# Altium PCB PCB1.PcbDoc (continued)
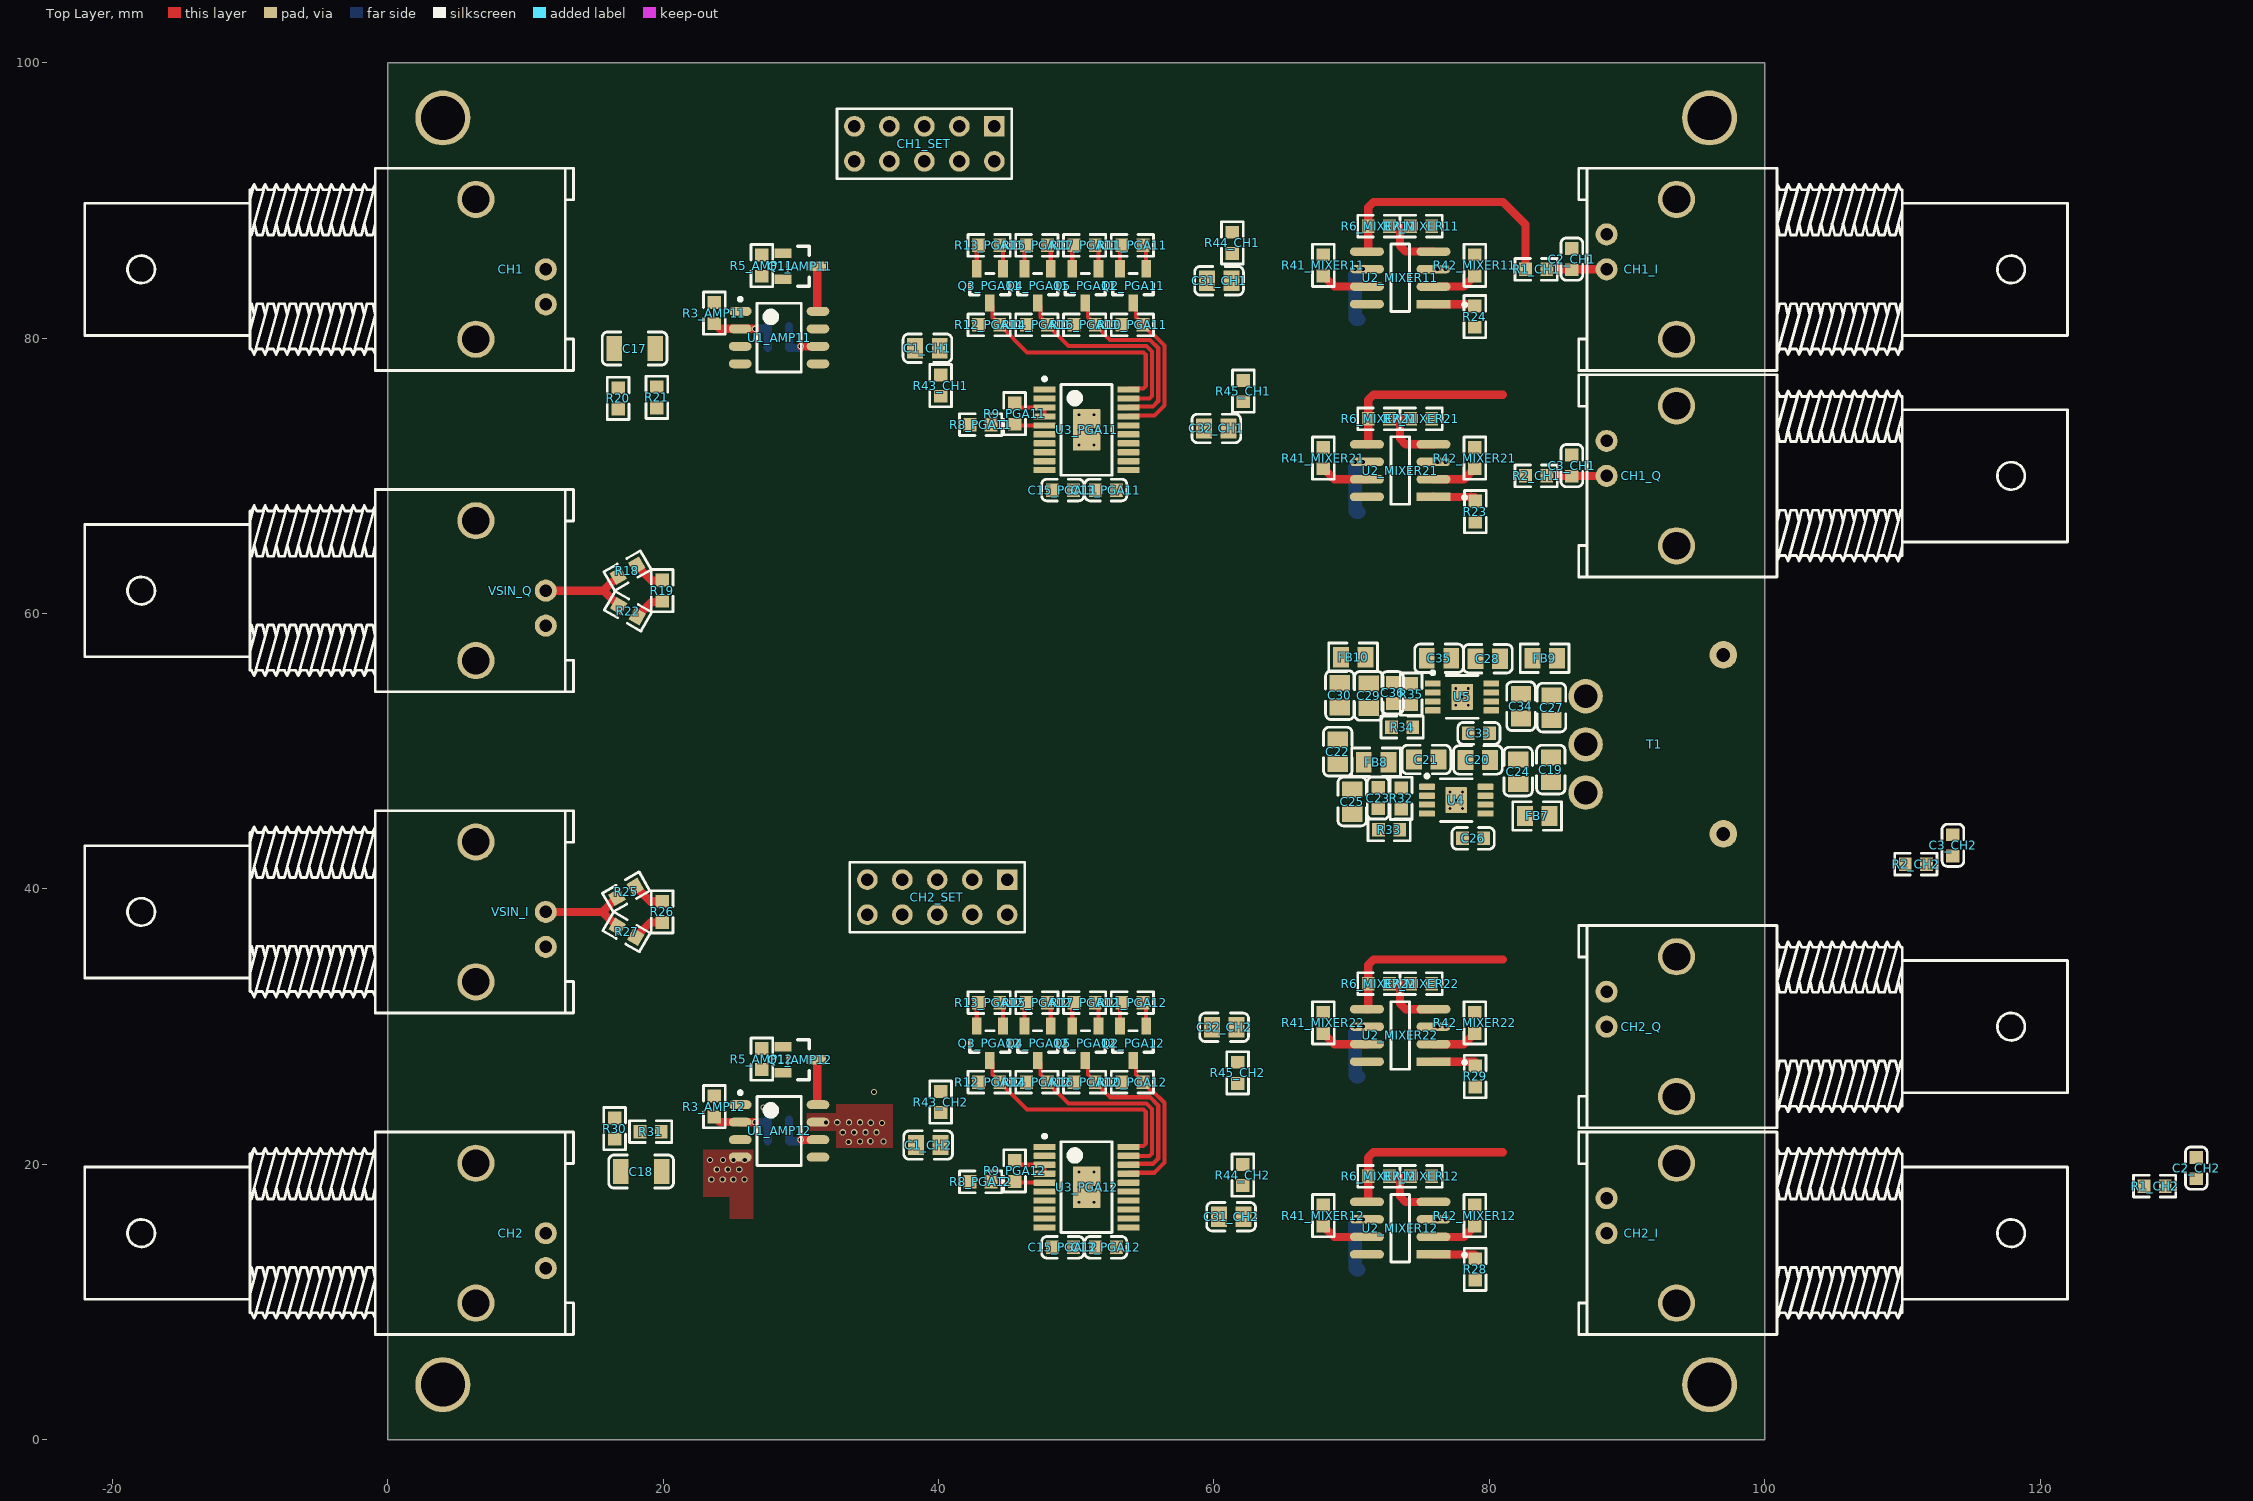
[diagram p0: Top Layer view]
## Components (designator, comment, footprint, x,y, rotation, side; value= is the part's Value field where it differs from the comment)
C1_CH1 "100nF" 0805_C 39.2,79.275 r0 top (schematic designator C1)
C1_CH2 "100nF" 0805_C 39.25,21.4 r0 top (schematic designator C1)
C2_CH1 "10nF" 0603_C 86,85.745 r270 top (schematic designator C2)
C2_CH2 "10nF" 0603_C 131.35,19.725 r270 top (schematic designator C2)
C3_CH1 "10nF" 0603_C 86,70.745 r270 top (schematic designator C3)
C3_CH2 "10nF" 0603_C 113.675,43.17 r270 top (schematic designator C3)
C4_AMP11 "100nF" 0603_C 33.95,78.672 r90 bottom (schematic designator C4)
C4_AMP12 "100nF" 0603_C 33.95,21.05 r90 bottom (schematic designator C4)
C5_AMP11 "10nF" 0603_C 35.55,78.672 r90 bottom (schematic designator C5)
C5_AMP12 "10nF" 0603_C 35.55,21.05 r90 bottom (schematic designator C5)
C6_AMP11 "100nF" 0603_C 26.4,74.397 r180 bottom (schematic designator C6)
C6_AMP12 "100nF" 0603_C 26.4,16.775 r180 bottom (schematic designator C6)
C7_AMP11 "10nF" 0603_C 26.4,75.997 r180 bottom (schematic designator C7)
C7_AMP12 "10nF" 0603_C 26.4,18.375 r180 bottom (schematic designator C7)
C8_AMP11 "10pF" 0603_C 28.375,80.872 r0 bottom (schematic designator C8)
C8_AMP12 "10pF" 0603_C 28.375,23.25 r0 bottom (schematic designator C8)
C9_MIXER11 "100nF" 0603_C 71,83.04 r180 bottom (schematic designator C9)
C9_MIXER12 "100nF" 0603_C 71,14.02 r180 bottom (schematic designator C9)
C9_MIXER21 "100nF" 0603_C 71,69.04 r180 bottom (schematic designator C9)
C9_MIXER22 "100nF" 0603_C 71,28.02 r180 bottom (schematic designator C9)
C10_MIXER11 "10nF" 0603_C 71.02,84.615 r180 bottom (schematic designator C10)
C10_MIXER12 "10nF" 0603_C 71.02,15.595 r180 bottom (schematic designator C10)
C10_MIXER21 "10nF" 0603_C 71.02,70.615 r180 bottom (schematic designator C10)
C10_MIXER22 "10nF" 0603_C 71.02,29.595 r180 bottom (schematic designator C10)
C11_MIXER11 "100nF" 0603_C 76.125,82.965 r0 bottom (schematic designator C11)
C11_MIXER12 "100nF" 0603_C 76.125,13.945 r0 bottom (schematic designator C11)
C11_MIXER21 "100nF" 0603_C 76.125,68.965 r0 bottom (schematic designator C11)
C11_MIXER22 "100nF" 0603_C 76.125,27.945 r0 bottom (schematic designator C11)
C12_MIXER11 "10nF" 0603_C 76.125,84.54 r0 bottom (schematic designator C12)
C12_MIXER12 "10nF" 0603_C 76.125,15.52 r0 bottom (schematic designator C12)
C12_MIXER21 "10nF" 0603_C 76.125,70.54 r0 bottom (schematic designator C12)
C12_MIXER22 "10nF" 0603_C 76.125,29.52 r0 bottom (schematic designator C12)
C13_PGA11 "100nF" 0603_C 52.15,68.975 r0 top (schematic designator C13)
C13_PGA12 "100nF" 0603_C 52.15,13.975 r0 top (schematic designator C13)
C14_PGA11 "10nF" 0603_C 52.4,71.45 r0 bottom (schematic designator C14)
C14_PGA12 "10nF" 0603_C 52.4,16.45 r0 bottom (schematic designator C14)
C15_PGA11 "100nF" 0603_C 49.025,68.975 r180 top (schematic designator C15)
C15_PGA12 "100nF" 0603_C 49.025,13.975 r180 top (schematic designator C15)
C16_PGA11 "10nF" 0603_C 49.3,72.25 r180 bottom (schematic designator C16)
C16_PGA12 "10nF" 0603_C 49.3,17.25 r180 bottom (schematic designator C16)
C17 "330nF" 1206_C 17.925,79.25 r0 top
C18 "330nF" 1206_C 18.4,19.475 r0 top
C19 "10uF" 0805_C 84.475,48.675 r270 top
C20 "10uF" 0805_C 79.175,49.375 r0 top
C21 "10uF" 0805_C 75.425,49.4 r180 top
C22 "10uF" 0805_C 69,49.975 r270 top
C23 "10nF" 0603_C 71.925,46.6 r90 top
C24 "10uF" 0805_C 82.1,48.525 r270 top
C25 "10uF" 0805_C 70.05,46.35 r90 top
C26 "100nF" 0603_C 78.825,43.675 r0 top
C27 "10uF" 0805_C 84.525,53.175 r270 top
C28 "10uF" 0805_C 79.9,56.725 r180 top
C29 "10uF" 0805_C 71.25,54.025 r270 top
C30 "10uF" 0805_C 69.15,54.075 r270 top
C31_CH1 "100nF" 0805_C 60.375,84.175 r0 top (schematic designator C31)
C31_CH2 "100nF" 0805_C 61.25,16.2 r0 top (schematic designator C31)
C32_CH1 "100nF" 0805_C 60.175,73.45 r0 top (schematic designator C32)
C32_CH2 "100nF" 0805_C 60.75,29.95 r0 top (schematic designator C32)
C33 "100nF" 0603_C 79.25,51.3 r0 top
C34 "10uF" 0805_C 82.3,53.275 r90 top
C35 "10uF" 0805_C 76.35,56.75 r180 top
C36 "10nF" 0603_C 72.975,54.25 r90 top
CH1 "BNC" BNC-TYCO_1-1337542-0 6,85 r180 top
CH1_I "BNC" BNC-TYCO_1-1337542-0 94,85 r0 top
CH1_Q "BNC" BNC-TYCO_1-1337542-0 94,70 r0 top
CH1_SET "Pin HDR2X5" "Pin HDR2X5/2.54mm-S" 44.055,95.39 r180 top
CH2 "BNC" BNC-TYCO_1-1337542-0 6,15 r180 top
CH2_I "BNC" BNC-TYCO_1-1337542-0 94,15 r0 top
CH2_Q "BNC" BNC-TYCO_1-1337542-0 94,30 r0 top
CH2_SET "Pin HDR2X5" "Pin HDR2X5/2.54mm-S" 44.99,40.675 r180 top
FB1_AMP11 "Bead" 0805_L 35.305,81.997 r270 bottom (schematic designator FB1)
FB1_AMP12 "Bead" 0805_L 35.305,24.375 r270 bottom (schematic designator FB1)
FB2_AMP11 "Bead" 0805_L 23.75,75.022 r90 bottom (schematic designator FB2)
FB2_AMP12 "Bead" 0805_L 23.75,17.4 r90 bottom (schematic designator FB2)
FB3_MIXER11 "Bead" 0805_L 70.5,80.49 r90 bottom (schematic designator FB3)
FB3_MIXER12 "Bead" 0805_L 70.5,11.47 r90 bottom (schematic designator FB3)
FB3_MIXER21 "Bead" 0805_L 70.5,66.49 r90 bottom (schematic designator FB3)
FB3_MIXER22 "Bead" 0805_L 70.5,25.47 r90 bottom (schematic designator FB3)
FB4_MIXER11 "Bead" 0805_L 76.625,80.39 r90 bottom (schematic designator FB4)
FB4_MIXER12 "Bead" 0805_L 76.625,11.37 r90 bottom (schematic designator FB4)
FB4_MIXER21 "Bead" 0805_L 76.625,66.39 r90 bottom (schematic designator FB4)
FB4_MIXER22 "Bead" 0805_L 76.625,25.37 r90 bottom (schematic designator FB4)
FB5_PGA11 "Bead" 0805_L 55.4,68.95 r180 bottom (schematic designator FB5)
FB5_PGA12 "Bead" 0805_L 55.4,13.95 r180 bottom (schematic designator FB5)
FB6_PGA11 "Bead" 0805_L 48.5,74.95 r270 bottom (schematic designator FB6)
FB6_PGA12 "Bead" 0805_L 48.5,19.95 r270 bottom (schematic designator FB6)
FB7 "Bead" 0805_L 83.475,45.3 r0 top
FB8 "Bead" 0805_L 71.775,49.2 r0 top
FB9 "Bead" 0805_L 84.015,56.75 r180 top
FB10 "Bead" 0805_L 70.11,56.825 r0 top
Q1_AMP11 "2N7002" SOT-23(SOT-23-3) 29.95,85.222 r180 top (schematic designator Q1)
Q1_AMP12 "2N7002" SOT-23(SOT-23-3) 29.95,27.6 r180 top (schematic designator Q1)
Q2_PGA11 "2N7002" SOT-23(SOT-23-3) 54.132,83.798 r90 top (schematic designator Q2)
Q2_PGA12 "2N7002" SOT-23(SOT-23-3) 54.132,28.798 r90 top (schematic designator Q2)
Q3_PGA11 "2N7002" SOT-23(SOT-23-3) 43.732,83.798 r90 top (schematic designator Q3)
Q3_PGA12 "2N7002" SOT-23(SOT-23-3) 43.732,28.798 r90 top (schematic designator Q3)
Q4_PGA11 "2N7002" SOT-23(SOT-23-3) 47.199,83.798 r90 top (schematic designator Q4)
Q4_PGA12 "2N7002" SOT-23(SOT-23-3) 47.199,28.798 r90 top (schematic designator Q4)
Q5_PGA11 "2N7002" SOT-23(SOT-23-3) 50.665,83.798 r90 top (schematic designator Q5)
Q5_PGA12 "2N7002" SOT-23(SOT-23-3) 50.665,28.798 r90 top (schematic designator Q5)
R1_CH1 "10kΩ" 0603_R 83.4,85 r180 top (schematic designator R1)
R1_CH2 "10kΩ" 0603_R 128.325,18.425 r180 top (schematic designator R1)
R2_CH1 "10kΩ" 0603_R 83.4,70 r180 top (schematic designator R2)
R2_CH2 "10kΩ" 0603_R 110.98,41.8 r180 top (schematic designator R2)
R3_AMP11 "100Ω" 0603_R 23.725,81.822 r270 top (schematic designator R3)
R3_AMP12 "100Ω" 0603_R 23.725,24.2 r270 top (schematic designator R3)
R4_AMP11 "910Ω" 0603_R 28.375,79.297 r0 bottom (schematic designator R4)
R4_AMP12 "910Ω" 0603_R 28.375,21.675 r0 bottom (schematic designator R4)
R5_AMP11 "10kΩ" 0603_R 27.175,85.272 r90 top (schematic designator R5)
R5_AMP12 "10kΩ" 0603_R 27.175,27.65 r90 top (schematic designator R5)
R6_MIXER11 "2kΩ" 0603_R 71.975,88.14 r180 top (schematic designator R6)
R6_MIXER12 "2kΩ" 0603_R 71.975,19.12 r180 top (schematic designator R6)
R6_MIXER21 "2kΩ" 0603_R 71.975,74.14 r180 top (schematic designator R6)
R6_MIXER22 "2kΩ" 0603_R 71.975,33.12 r180 top (schematic designator R6)
R7_MIXER11 "200Ω" 0603_R 75.05,88.14 r180 top (schematic designator R7)
R7_MIXER12 "200Ω" 0603_R 75.05,19.12 r180 top (schematic designator R7)
R7_MIXER21 "200Ω" 0603_R 75.05,74.14 r180 top (schematic designator R7)
R7_MIXER22 "200Ω" 0603_R 75.05,33.12 r180 top (schematic designator R7)
R8_PGA11 "100Ω" 0603_R 43.052,73.723 r0 top (schematic designator R8)
R8_PGA12 "100Ω" 0603_R 43.052,18.723 r0 top (schematic designator R8)
R9_PGA11 "100Ω" 0603_R 45.527,74.523 r90 top (schematic designator R9)
R9_PGA12 "100Ω" 0603_R 45.527,19.523 r90 top (schematic designator R9)
R10_PGA11 "10kΩ" 0603_R 54.084,80.973 r180 top (schematic designator R10)
R10_PGA12 "10kΩ" 0603_R 54.084,25.973 r180 top (schematic designator R10)
R11_PGA11 "10kΩ" 0603_R 54.084,86.743 r0 top (schematic designator R11)
R11_PGA12 "10kΩ" 0603_R 54.084,31.743 r0 top (schematic designator R11)
R12_PGA11 "10kΩ" 0603_R 43.684,80.973 r180 top (schematic designator R12)
R12_PGA12 "10kΩ" 0603_R 43.684,25.973 r180 top (schematic designator R12)
R13_PGA11 "10kΩ" 0603_R 43.684,86.743 r0 top (schematic designator R13)
R13_PGA12 "10kΩ" 0603_R 43.684,31.743 r0 top (schematic designator R13)
R14_PGA11 "10kΩ" 0603_R 47.151,80.973 r180 top (schematic designator R14)
R14_PGA12 "10kΩ" 0603_R 47.151,25.973 r180 top (schematic designator R14)
R15_PGA11 "10kΩ" 0603_R 47.151,86.743 r0 top (schematic designator R15)
R15_PGA12 "10kΩ" 0603_R 47.151,31.743 r0 top (schematic designator R15)
R16_PGA11 "10kΩ" 0603_R 50.617,80.973 r180 top (schematic designator R16)
R16_PGA12 "10kΩ" 0603_R 50.617,25.973 r180 top (schematic designator R16)
R17_PGA11 "10kΩ" 0603_R 50.617,86.743 r0 top (schematic designator R17)
R17_PGA12 "10kΩ" 0603_R 50.617,31.743 r0 top (schematic designator R17)
R18 "49.9Ω" 0603_R 17.408,63.115 r210 top
R19 "49.9Ω" 0603_R 19.925,61.667 r270 top
R20 "49.9Ω" 0603_R 16.725,75.625 r90 top
R21 "10kΩ" 0603_R 19.55,75.7 r90 top
R22 "49.9Ω" 0603_R 17.45,60.175 r150 top
R23 "49.9Ω" 0603_R 79,67.4 r90 top
R24 "49.9Ω" 0603_R 78.95,81.57 r90 top
R25 "49.9Ω" 0603_R 17.317,39.785 r210 top
R26 "49.9Ω" 0603_R 19.925,38.333 r270 top
R27 "49.9Ω" 0603_R 17.342,36.885 r150 top
R28 "49.9Ω" 0603_R 78.975,12.38 r90 top
R29 "49.9Ω" 0603_R 78.975,26.38 r90 top
R30 "49.9Ω" 0603_R 16.475,22.6 r270 top
R31 "10kΩ" 0603_R 19.1,22.375 r0 top
R32 "91kΩ" 0603_R 73.6,46.575 r90 top
R33 "10kΩ" 0603_R 72.725,44.3 r180 top
R34 "10kΩ" 0603_R 73.675,51.75 r180 top
R35 "91kΩ" 0603_R 74.325,54.15 r90 top
R41_MIXER11 "200Ω" 0603_R 67.95,85.29 r270 top (schematic designator R41)
R41_MIXER12 "200Ω" 0603_R 67.95,16.27 r270 top (schematic designator R41)
R41_MIXER21 "200Ω" 0603_R 67.95,71.29 r270 top (schematic designator R41)
R41_MIXER22 "200Ω" 0603_R 67.95,30.27 r270 top (schematic designator R41)
R42_MIXER11 "200Ω" 0603_R 78.95,85.29 r270 top (schematic designator R42)
R42_MIXER12 "200Ω" 0603_R 78.95,16.27 r270 top (schematic designator R42)
R42_MIXER21 "200Ω" 0603_R 78.95,71.29 r270 top (schematic designator R42)
R42_MIXER22 "200Ω" 0603_R 78.95,30.27 r270 top (schematic designator R42)
R43_CH1 "10kΩ" 0603_R 40.15,76.55 r90 top (schematic designator R43)
R43_CH2 "10kΩ" 0603_R 40.15,24.525 r270 top (schematic designator R43)
R44_CH1 "10kΩ" 0603_R 61.35,86.925 r270 top (schematic designator R44)
R44_CH2 "10kΩ" 0603_R 62.1,19.225 r270 top (schematic designator R44)
R45_CH1 "10kΩ" 0603_R 62.15,76.15 r270 top (schematic designator R45)
R45_CH2 "10kΩ" 0603_R 61.725,26.65 r90 top (schematic designator R45)
T1 "MR30" MR30PW-M 87,47 r90 top
U1_AMP11 "OPA847" SOIC127P600X175-8M 28.425,80.047 r0 top (schematic designator U1)
U1_AMP12 "OPA847" SOIC127P600X175-8M 28.425,22.425 r0 top (schematic designator U1)
U2_MIXER11 "AD835ARZ" FP-R-8-IPC_A 73.534,84.385 r180 top (schematic designator U2)
U2_MIXER12 "AD835ARZ" FP-R-8-IPC_A 73.534,15.365 r180 top (schematic designator U2)
U2_MIXER21 "AD835ARZ" FP-R-8-IPC_A 73.534,70.385 r180 top (schematic designator U2)
U2_MIXER22 "AD835ARZ" FP-R-8-IPC_A 73.534,29.365 r180 top (schematic designator U2)
U3_PGA11 "THS7001CPWP" PWP0020D_M 50.752,73.343 r0 top (schematic designator U3)
U3_PGA12 "THS7001CPWP" PWP0020D_M 50.752,18.343 r0 top (schematic designator U3)
U4 "TPS7A4901" DGN0008D_L 77.6,46.45 r0 top
U5 "TPS7A3001" DGN0008D_L 78.025,53.95 r0 top
VSIN_I "BNC" BNC-TYCO_1-1337542-0 6,38.333 r180 top
VSIN_Q "BNC" BNC-TYCO_1-1337542-0 6,61.667 r180 top

## Footprints (in the part's own frame and the unit in brackets; to place one, negate y for a bottom-side part, rotate by r counter-clockwise, add the part's x,y. Pads: shape width x height; smd on the part's side, far side on the other; paste and mask are expansions set on the pad)
0603_C [mm]
  rect 0.93x0.98 smd: 1(-0.77,0) 2(0.77,0)
  silkscreen extent -1.53,-0.79 1.54,0.79, body extent -0.8,-0.4 0.8,0.4, height 0.3
0603_R [mm]
  rect 0.93x0.98 smd: 1(-0.77,0) 2(0.77,0)
  silkscreen extent -1.53,-0.79 1.54,0.79, body extent -0.85,-0.4 0.85,0.4, height 0.56
0805_C [mm]
  rect 1.16x1.47 smd: 1(-0.89,0) 2(0.89,0)
  silkscreen extent -1.77,-1.04 1.77,1.04, body extent -1,-0.62 1,0.63, height 0.77
0805_L [mm]
  rect 1.16x1.47 smd: 1(-0.89,0) 2(0.89,0)
  silkscreen extent -1.77,-1.04 1.77,1.03, body extent -1,-0.63 1,0.63, height 0.49
1206_C [mm]
  rect 1.13x1.8 smd: 1(-1.49,0) 2(1.49,0)
  silkscreen extent -2.36,-1.2 2.35,1.2, body extent -1.6,-0.81 1.6,0.79, height 1
BNC-TYCO_1-1337542-0 [mm] "BNC-50 Ohms  BNC Elbow PCB Socket With Mounting Posts"
  round 1.6 hole 0.9: 1(-5.48,0) MH(-5.48,2.54)
  round 2.7 hole 2: MH(-0.4,5.08) MH(-0.4,-5.08)
  silkscreen extent -7.5,-7.35 28,7.35, body extent -7.5,-7.35 28,7.35, height 13.16
DGN0008D_L [mm] "TSOP, 8-Leads, Body 3.1x3.1mm, Pitch 0.65mm, Thermal Pad 1.89x1.57mm, IPC High Density"
  rrect22% 1.15x0.45 smd: 1(-2.125,0.975) 2(-2.125,0.325) 3(-2.125,-0.325) 4(-2.125,-0.975) 5(2.125,-0.975) 6(2.125,-0.325) 7(2.125,0.325) 8(2.125,0.975)
  rrect6% 1.57x1.89 smd: 9(0,0)
  silkscreen extent -2.25,-1.55 1.15,1.87, body extent -2.45,-1.5 2.45,1.5, height 0.94
FP-R-8-IPC_A [mm]
  rect 2.474x0.622 smd paste+0 mask+0: 1(-2.416,1.905)
  rrect100% 2.474x0.622 smd paste+0 mask+0: 2(-2.416,0.635) 3(-2.416,-0.635) 4(-2.416,-1.905) 5(2.416,-1.905) 6(2.416,-0.635) 7(2.416,0.635) 8(2.416,1.905)
  silkscreen extent -4.8,-2.45 0.68,2.45, body extent -4.15,-2.95 4.15,2.95, height 0.25
MR30PW-M [mm]
  round 2.5 hole 1.7: 1(0,0) 2(3.5,0) 3(7,0)
  round 2 hole 1: MACH(-3,-10) MACH(10,-10)
  body extent -4.2,-13 11.2,0.95, height 5.05
"Pin HDR2X5/2.54mm-S" [mm] "Connector; Header; 5x2 Position"
  rect 1.5x1.5 hole 0.9: 1(0,0)
  round 1.5 hole 0.9: 2(0,2.54) 3(2.54,0) 4(2.54,2.54) 5(5.08,0) 6(5.08,2.54) 7(7.62,0) 8(7.62,2.54) 9(10.16,0) 10(10.16,2.54)
  silkscreen extent -1.27,-1.27 11.43,3.81, body extent -1.27,-1.27 11.43,3.81, height 7.58
PWP0020D_M [mm] "SOP, 20-Leads, Body 4.5x6.6mm, Pitch 0.65mm, Thermal Pad 2x3mm, IPC Low Density"
  rrect22% 1.6x0.45 smd: 1(-3.05,2.925) 2(-3.05,2.275) 3(-3.05,1.625) 4(-3.05,0.975) 5(-3.05,0.325) 6(-3.05,-0.325) 7(-3.05,-0.975) 8(-3.05,-1.625) 9(-3.05,-2.275) 10(-3.05,-2.925) 11(3.05,-2.925) 12(3.05,-2.275) 13(3.05,-1.625) 14(3.05,-0.975) 15(3.05,-0.325) 16(3.05,0.325) 17(3.05,0.975) 18(3.05,1.625) 19(3.05,2.275) 20(3.05,2.925)
  rrect5% 2x3 smd: 21(0,0)
  silkscreen extent -3.17,-3.3 1.85,3.82, body extent -3.21,-3.25 3.21,3.25, height 0.98
SOIC127P600X175-8M [mm] "SOIC, 8-Leads, Body 4.90x3.95mm, Pitch 1.27mm, IPC Low Density"
  oval 1.65x0.65 smd: 1(-2.825,1.905) 2(-2.825,0.635) 3(-2.825,-0.635) 4(-2.825,-1.905) 5(2.825,-1.905) 6(2.825,-0.635) 7(2.825,0.635) 8(2.825,1.905)
  silkscreen extent -2.95,-2.5 1.6,2.9, body extent -3,-2.5 3,2.5, height 1.75
SOT-23(SOT-23-3) [mm]
  rect 1.25x0.7 smd: 1(1.25,-0.95) 2(1.25,0.95) 3(-1.25,0)
  silkscreen extent -0.65,-1.46 0.9,1.46, body extent -1.5,-1.5 1.5,1.5, height 1.3

## Part data
C1_CH1 C1_CH2 C31_CH1 C31_CH2 C32_CH1 C32_CH2: library part "0805 100nF(104) 10% 50V", "贴片电容", Package=0805, SuppliersPartNumber=C49678, ComponentLink1Description=供应商链接, ComponentLink1URL=http://www.szlcsc.com/product/details_50686.html, Supplier=LC
C2_CH1 C2_CH2 C3_CH1 C3_CH2 C5_AMP11 C5_AMP12 C7_AMP11 C7_AMP12 C10_MIXER11 C10_MIXER12 C10_MIXER21 C10_MIXER22 C12_MIXER11 C12_MIXER12 C12_MIXER21 C12_MIXER22 C14_PGA11 C14_PGA12 C16_PGA11 C16_PGA12 C23 C36: library part "0603 10nF (103) 10% 50V", "贴片电容", Package=0603, SuppliersPartNumber=C57112, ComponentLink1Description=供应商链接, ComponentLink1URL=http://www.szlcsc.com/product/details_58143.html, Supplier=LC
C4_AMP11 C4_AMP12 C6_AMP11 C6_AMP12 C9_MIXER11 C9_MIXER12 C9_MIXER21 C9_MIXER22 C11_MIXER11 C11_MIXER12 C11_MIXER21 C11_MIXER22 C13_PGA11 C13_PGA12 C15_PGA11 C15_PGA12 C26 C33: library part "0603 100nF (104) 10% 50V", "贴片电容", Package=0603, SuppliersPartNumber=C14663, ComponentLink1Description=供应商链接, ComponentLink1URL=http://www.szlcsc.com/product/details_15331.html, Supplier=LC
C8_AMP11 C8_AMP12: library part "0603 10pF (100) 5% 50V", "贴片电容", Package=0603, SuppliersPartNumber=C1634, ComponentLink1Description=供应商链接, ComponentLink1URL=http://www.szlcsc.com/product/details_1986.html, Supplier=LC
C17 C18: library part "1206 100nF (104) 10% 50V", "贴片电容", Package=1206, SuppliersPartNumber=C24497, ComponentLink1Description=供应商链接, ComponentLink1URL=http://www.szlcsc.com/product/details_25237.html, Supplier=LC
C19 C20 C21 C22 C24 C25 C27 C28 C29 C30 C34 C35: library part "0805 10uF (106) 10% 25V", "贴片电容", Package=0805, SuppliersPartNumber=C15850, ComponentLink1Description=供应商链接, ComponentLink1URL=http://www.szlcsc.com/product/details_16532.html, Supplier=LC
CH1 CH1_I CH1_Q CH2 CH2_I CH2_Q VSIN_I VSIN_Q: "BNC-KE PIN 6.9mm distance", PartNumber=51K101-400A4, ComponentLink1Description="Manufacturer URL", ComponentLink1URL=http://www.rosenberger.de, ComponentLink2Description=Datasheet, ComponentLink2URL=http://rosenberger.de/ok/images/documents/db/51K101-400A4.pdf, ComponentLink3Description="Package Specification", ComponentLink3URL=http://rosenberger.de/ok/images/documents/db/51K101-400A4.pdf, ComponentLink4Description="URL Link1", ComponentLink4URL="Series Overview / Design Note:http://rosenberger.de/ok/images/documents/spez/51.pdf", ComponentLink5Description="Webshop / RFQ", ComponentLink5URL=http://www.rosenberger.com/en/contact/sales/, DatasheetVersion=c00, Design Note="Footprint in library is a generic example - only application specific footprint delivers High Performance", Mounting Technology="Through Hole", PackageDescription="50R BNC Straight Jack, 12 x 12 x 15 mm", PackageReference=51K101-400A4, PackageVersion=c00
Q1_AMP11 Q1_AMP12 Q2_PGA11 Q2_PGA12 Q3_PGA11 Q3_PGA12 Q4_PGA11 Q4_PGA12 Q5_PGA11 Q5_PGA12: library part "2N7002 7002", "MOS(场效应管)", Package=SOT-23(SOT-23-3), SuppliersPartNumber=C8545, ComponentLink1Description=供应商链接, ComponentLink1URL=http://www.szlcsc.com/product/details_9040.html, Supplier=LC
R1_CH1 R1_CH2 R2_CH1 R2_CH2 R5_AMP11 R5_AMP12 R10_PGA11 R10_PGA12 R11_PGA11 R11_PGA12 R12_PGA11 R12_PGA12 R13_PGA11 R13_PGA12 R14_PGA11 R14_PGA12 R15_PGA11 R15_PGA12 R16_PGA11 R16_PGA12 R17_PGA11 R17_PGA12 R21 R31 R33 R34 R43_CH1 R43_CH2 R44_CH1 R44_CH2 R45_CH1 R45_CH2: library part "0603 10KΩ (1002) 1%", "贴片电阻", Package=0603, SuppliersPartNumber=C25804, ComponentLink1Description=供应商链接, ComponentLink1URL=http://www.szlcsc.com/product/details_26547.html, Supplier=LC
R3_AMP11 R3_AMP12 R8_PGA11 R8_PGA12 R9_PGA11 R9_PGA12: library part "0603 100Ω (1000) 1%", "贴片电阻", Package=0603, SuppliersPartNumber=C22775, ComponentLink1Description=供应商链接, ComponentLink1URL=http://www.szlcsc.com/product/details_23502.html, Supplier=LC
R4_AMP11 R4_AMP12: library part "0603 910Ω (9100) 1%", "贴片电阻", Package=0603, SuppliersPartNumber=C23264, ComponentLink1Description=供应商链接, ComponentLink1URL=http://www.szlcsc.com/product/details_23991.html, Supplier=LC
R6_MIXER11 R6_MIXER12 R6_MIXER21 R6_MIXER22: library part "0603 2KΩ (2001) 1%", "贴片电阻", Package=0603, SuppliersPartNumber=C22975, ComponentLink1Description=供应商链接, ComponentLink1URL=http://www.szlcsc.com/product/details_23702.html, Supplier=LC
R7_MIXER11 R7_MIXER12 R7_MIXER21 R7_MIXER22 R41_MIXER11 R41_MIXER12 R41_MIXER21 R41_MIXER22 R42_MIXER11 R42_MIXER12 R42_MIXER21 R42_MIXER22: library part "0603 200Ω (2000) 1%", "贴片电阻", Package=0603, SuppliersPartNumber=C8218, ComponentLink1Description=供应商链接, ComponentLink1URL=http://www.szlcsc.com/product/details_8708.html, Supplier=LC
R18 R19 R20 R22 R23 R24 R25 R26 R27 R28 R29 R30: library part "0603 49.9Ω (49R9) 1%", "贴片电阻", Package=0603, SuppliersPartNumber=C23185, ComponentLink1Description=供应商链接, ComponentLink1URL=http://www.szlcsc.com/product/details_23912.html, Supplier=LC
R32 R35: library part "0603 91KΩ (9102) 1%", "贴片电阻", Package=0603, SuppliersPartNumber=C23265, ComponentLink1Description=供应商链接, ComponentLink1URL=http://www.szlcsc.com/product/details_23992.html, Supplier=LC
U1_AMP11 U1_AMP12: "Wideband, Ultra-Low Noise, Voltage-Feedback OPERATIONAL AMPLIFIER with Shutdown"
U2_MIXER11 U2_MIXER12 U2_MIXER21 U2_MIXER22: library part CMP-09114-000033-1, "ANALOG MULTIPLIER OR DIVIDER, 25", Case/Package=SOIC, Dual Supply Voltage=5V, Max Dual Supply Voltage=5.5V, Max Frequency=250MHz, Max Input Voltage=1V, Max Operating Temperature=85°C, Max Power Dissipation=300mW, Min Dual Supply Voltage=4.5V, Min Operating Temperature=-40°C, Nominal Supply Current=16mA, Operating Supply Current=25mA, Output Voltage=2.5V, Package Quantity=1, -3db Bandwidth=250MHz, Accuracy=2%, Contact Plating=Tin, Height=1.5mm, Lead Free="Contains Lead", Length=5mm, Max Supply Voltage=5.5V, Min Supply Voltage=4.5V, Mount="Surface Mount", Number of Amplifiers=3, Number of Bits=4, Number of Channels=2, Number of Circuits=1, Number of Elements=1, Number of Pins=8, Operating Supply Voltage=5V, Packaging=Rail/Tube, Radiation Hardening=No, REACH SVHC="No SVHC", RoHS Compliant=Yes, Series=-, Settling Time=20ns, Slew Rate=1000V/µs, Supply Current=16mA, Width=4mm
U3_PGA11 U3_PGA12: library part CMP-0988-00128-2, "70-MHz High-Speed Programmable-Gain Amplifier, 0 to 70 degC, 20-pin SOP (PWP20), Green (RoHS & no Sb/Br)", Manufacturer="Texas Instruments", BW @ Acl(MHz)=100, Code_JEDEC=MO-153, ComponentLink1Description="Manufacturer URL", ComponentLink1URL=http://www.ti.com/, ComponentLink2Description=Datasheet, ComponentLink2URL=http://www.ti.com/general/docs/lit/getliterature.tsp?genericPartNumber=THS7001&fileType=pdf, ComponentLink3Description="Package Specification", ComponentLink3URL=http://www.ti.com/lit/ml/mhts001g/mhts001g.pdf, DatasheetVersion=SLOS214C, Disable=TRUE, Eco-Plan="Green (RoHS & no Sb/Br)", Iib(Max)(nA)=6000, Mounting Technology="Surface Mount", Number of Channels=1, PackageDescription="20-Pin Plastic Small Outline, Body 4.4 x 6.5 mm, Pitch 0.65 mm", PackageReference=PWP0020D, PackageVersion="4073225-4/I, 05/2011", PartNumber=THS7001CPWP, Slew Rate(Typ)(V/us)=85, SubFamily="Variable Gain Amplifier", Vio(Max)(mV)=7, Vn at Flatband(Typ)(nV/rtHz)=1.7, Vs(Max)(V)=32, Vs(Min)(V)=9

## Free pads (board coordinates)
  round 4 hole 3.2: MACH(4,4) MACH(4,96) MACH(96,4) MACH(96,96)

## Via types
v1: diameter 0.45, hole 0.3, Top Layer to Bottom Layer, 47 vias
v2: diameter 0.5, hole 0.2, Top Layer to Bottom Layer, 12 vias
v3: diameter 0.5, hole 0.2, Top Layer to Bottom Layer, tented both sides, 10 vias

## Nets (pads, with @x,y where several pads share a name; then routed paths per layer and width w, separated by ;. In a path a pad name is that pad's centre, name@x,y a point inside that pad or via, vN(x,y) a via of type N, cw(c..) or ccw(c..) an arc to the next point about the centre after c; other vN are vias at no path point)
+AVDD_5P5V: C22.2 CH1_SET.1 CH1_SET.3 CH1_SET.5 CH1_SET.7 CH1_SET.9 CH2_SET.1 CH2_SET.3 CH2_SET.5 CH2_SET.7 CH2_SET.9 FB1_AMP11.1 FB1_AMP12.1 FB3_MIXER11.1 FB3_MIXER12.1 FB3_MIXER21.1 FB3_MIXER22.1 FB5_PGA11.1 FB5_PGA12.1 FB8.1 R10_PGA11.2 R10_PGA12.2 R12_PGA11.2 R12_PGA12.2 R14_PGA11.2 R14_PGA12.2 R16_PGA11.2 R16_PGA12.2
  other v1: 35.305,25.265
+AVEE_5P5V: C30.1 FB2_AMP11.1 FB2_AMP12.1 FB4_MIXER11.1 FB4_MIXER12.1 FB4_MIXER21.1 FB4_MIXER22.1 FB6_PGA11.1 FB6_PGA12.1 FB10.1
AGND: C2_CH1.1 C2_CH2.1 C3_CH1.1 C3_CH2.1 C4_AMP11.1 C4_AMP12.1 C5_AMP11.1 C5_AMP12.1 C6_AMP11.1 C6_AMP12.1 C7_AMP11.1 C7_AMP12.1 C9_MIXER11.1 C9_MIXER12.1 C9_MIXER21.1 C9_MIXER22.1 C10_MIXER11.1 C10_MIXER12.1 C10_MIXER21.1 C10_MIXER22.1 C11_MIXER11.1 C11_MIXER12.1 C11_MIXER21.1 C11_MIXER22.1 C12_MIXER11.1 C12_MIXER12.1 C12_MIXER21.1 C12_MIXER22.1 C13_PGA11.1 C13_PGA12.1 C14_PGA11.1 C14_PGA12.1 C15_PGA11.1 C15_PGA12.1 C16_PGA11.1 C16_PGA12.1 C19.1 C20.1 C21.1 C22.1 C24.1 C25.1 C26.1 C27.2 C28.2 C29.2 C30.2 C33.1 C34.1 C35.1 CH1.MH CH1_I.MH CH1_Q.MH CH2.MH CH2_I.MH CH2_Q.MH pad.MACH Q1_AMP11.2 Q1_AMP12.2 Q2_PGA11.2 Q2_PGA12.2 Q3_PGA11.2 Q3_PGA12.2 Q4_PGA11.2 Q4_PGA12.2 Q5_PGA11.2 Q5_PGA12.2 R3_AMP11.1 R3_AMP12.1 R5_AMP11.1 R5_AMP12.1 R7_MIXER11.1 R7_MIXER12.1 R7_MIXER21.1 R7_MIXER22.1 R11_PGA11.1 R11_PGA12.1 R13_PGA11.1 R13_PGA12.1 R15_PGA11.1 R15_PGA12.1 R17_PGA11.1 R17_PGA12.1 R20.1 R21.1 R23.1 R24.1 R28.1 R29.1 R30.1 R31.1 R33.1 R34.1 R41_MIXER11.1 R41_MIXER12.1 R41_MIXER21.1 R41_MIXER22.1 R42_MIXER11.1 R42_MIXER12.1 R42_MIXER21.1 R42_MIXER22.1 R43_CH1.1 R43_CH2.1 R44_CH1.1 R44_CH2.1 R45_CH1.1 R45_CH2.1 T1.2 U3_PGA11.1 U3_PGA11.2 U3_PGA11.6 U3_PGA11.21 U3_PGA12.1 U3_PGA12.2 U3_PGA12.6 U3_PGA12.21 U4.4 U4.9 U5.4 U5.9 VSIN_I.MH VSIN_Q.MH | length 14
  Top Layer w0.3: Q3_PGA12.2 42.782,31.611 R13_PGA12.1 ; Q3_PGA11.2 42.782,86.611 R13_PGA11.1 ; Q4_PGA12.2 46.249,31.611 R15_PGA12.1 ; Q4_PGA11.2 46.249,86.611 R15_PGA11.1 ; Q5_PGA12.2 49.715,31.611 R17_PGA12.1 ; Q5_PGA11.2 49.715,86.611 R17_PGA11.1 ; Q2_PGA12.2 53.182,31.611 R11_PGA12.1 ; Q2_PGA11.2 53.182,86.611 R11_PGA11.1
  other v1: 27.295,24.125
  other v2: 50.202,17.243 51.302,17.243 50.202,18.343 51.302,18.343 50.202,19.443 51.302,19.443 50.202,72.243 51.302,72.243 50.202,73.343 51.302,73.343 50.202,74.443 51.302,74.443
  other v3: 77.15,45.85 78.05,45.85 77.6,46.45 77.15,47.05 78.05,47.05 77.575,53.35 78.475,53.35 78.025,53.95 77.575,54.55 78.475,54.55
AVDD_AMP11: C4_AMP11.2 C5_AMP11.2 FB1_AMP11.2 U1_AMP11.7
AVDD_AMP12: C4_AMP12.2 C5_AMP12.2 FB1_AMP12.2 U1_AMP12.7
  other v1: 33.475,21.625 34.3,21.65 36,21.65 35.05,21.675 33.05,22.325 33.875,22.325 34.7,22.325 35.5,22.325 35.9,23 35.075,23.025 31.825,23.05 32.65,23.05 33.5,23.05 34.3,23.05
AVDD_MIXER11: C9_MIXER11.2 C10_MIXER11.2 FB3_MIXER11.2 U2_MIXER11.6 | length 3.4
  Bottom Layer w1: C10_MIXER11.2 70.25,83.475 70.265,83.46 70.265,81.46 70.345,81.38 FB3_MIXER11.2
  other v1: 70.243,85.02 70.818,85.02
AVDD_MIXER12: C9_MIXER12.2 C10_MIXER12.2 FB3_MIXER12.2 U2_MIXER12.6 | length 3.4
  Bottom Layer w1: C10_MIXER12.2 70.25,14.455 70.265,14.44 70.265,12.44 70.345,12.36 FB3_MIXER12.2
  other v1: 70.243,16 70.818,16
AVDD_MIXER21: C9_MIXER21.2 C10_MIXER21.2 FB3_MIXER21.2 U2_MIXER21.6 | length 3.4
  Bottom Layer w1: C10_MIXER21.2 70.25,69.475 70.265,69.46 70.265,67.46 70.345,67.38 FB3_MIXER21.2
  other v1: 70.243,71.02 70.818,71.02
AVDD_MIXER22: C9_MIXER22.2 C10_MIXER22.2 FB3_MIXER22.2 U2_MIXER22.6 | length 3.4
  Bottom Layer w1: C10_MIXER22.2 70.25,28.455 70.265,28.44 70.265,26.44 70.345,26.36 FB3_MIXER22.2
  other v1: 70.243,30 70.818,30
AVDD_PGA11: C13_PGA11.2 C14_PGA11.2 FB5_PGA11.2 U3_PGA11.8 U3_PGA11.12 U3_PGA11.13
AVDD_PGA12: C13_PGA12.2 C14_PGA12.2 FB5_PGA12.2 U3_PGA12.8 U3_PGA12.12 U3_PGA12.13
AVEE_AMP11: C6_AMP11.2 C7_AMP11.2 FB2_AMP11.2 U1_AMP11.4
AVEE_AMP12: C6_AMP12.2 C7_AMP12.2 FB2_AMP12.2 U1_AMP12.4
  other v1: 23.5,18.9 24.325,18.9 25.1,18.9 25.9,18.9 23.9,19.625 24.7,19.625 25.525,19.625 23.4,20.325 24.35,20.325 25.1,20.325 25.925,20.325
AVEE_MIXER11: C11_MIXER11.2 C12_MIXER11.2 FB4_MIXER11.2 U2_MIXER11.3
  other v1: 76.25,85.02 76.825,85.02
AVEE_MIXER12: C11_MIXER12.2 C12_MIXER12.2 FB4_MIXER12.2 U2_MIXER12.3
  other v1: 76.25,16 76.825,16
AVEE_MIXER21: C11_MIXER21.2 C12_MIXER21.2 FB4_MIXER21.2 U2_MIXER21.3
  other v1: 76.25,71.02 76.825,71.02
AVEE_MIXER22: C11_MIXER22.2 C12_MIXER22.2 FB4_MIXER22.2 U2_MIXER22.3
  other v1: 76.25,30 76.825,30
AVEE_PGA11: C15_PGA11.2 C16_PGA11.2 FB6_PGA11.2 U3_PGA11.7 U3_PGA11.14 U3_PGA11.15
AVEE_PGA12: C15_PGA12.2 C16_PGA12.2 FB6_PGA12.2 U3_PGA12.7 U3_PGA12.14 U3_PGA12.15
CH1_CONT_BIT0: CH1_SET.10 Q1_AMP11.1 R5_AMP11.2
CH1_CONT_BIT1: CH1_SET.2 Q2_PGA11.1 R11_PGA11.2 | length 1.8
  Top Layer w0.3: R11_PGA11.2 55.082,86.515 Q2_PGA11.1
CH1_CONT_BIT2: CH1_SET.8 Q3_PGA11.1 R13_PGA11.2 | length 1.8
  Top Layer w0.3: R13_PGA11.2 44.682,86.515 Q3_PGA11.1
CH1_CONT_BIT3: CH1_SET.6 Q4_PGA11.1 R15_PGA11.2 | length 1.8
  Top Layer w0.3: R15_PGA11.2 48.149,86.515 Q4_PGA11.1
CH1_CONT_BIT4: CH1_SET.4 Q5_PGA11.1 R17_PGA11.2 | length 1.8
  Top Layer w0.3: R17_PGA11.2 51.615,86.515 Q5_PGA11.1
CH2_CONT_BIT0: CH2_SET.10 Q1_AMP12.1 R5_AMP12.2
CH2_CONT_BIT1: CH2_SET.2 Q2_PGA12.1 R11_PGA12.2 | length 1.8
  Top Layer w0.3: R11_PGA12.2 55.082,31.515 Q2_PGA12.1
CH2_CONT_BIT2: CH2_SET.8 Q3_PGA12.1 R13_PGA12.2 | length 1.8
  Top Layer w0.3: R13_PGA12.2 44.682,31.515 Q3_PGA12.1
CH2_CONT_BIT3: CH2_SET.6 Q4_PGA12.1 R15_PGA12.2 | length 1.8
  Top Layer w0.3: R15_PGA12.2 48.149,31.515 Q4_PGA12.1
CH2_CONT_BIT4: CH2_SET.4 Q5_PGA12.1 R17_PGA12.2 | length 1.8
  Top Layer w0.3: R17_PGA12.2 51.615,31.515 Q5_PGA12.1
NetC1_CH1_1: C1_CH1.1 C8_AMP11.2 R4_AMP11.2 U1_AMP11.6 | length 3.8
  Top Layer w0.6: v1@30.025,79.412 U1_AMP11.6
  Bottom Layer w0.6: C8_AMP11.2 R4_AMP11.2 30.025,79.297 v1@30.025,79.412
  other v1: 30,79.412
NetC1_CH1_2: C1_CH1.2 R8_PGA11.1 R43_CH1.2
NetC1_CH2_1: C1_CH2.1 C8_AMP12.2 R4_AMP12.2 U1_AMP12.6 | length 3.8
  Top Layer w0.6: v1@30.025,21.79 U1_AMP12.6
  Bottom Layer w0.6: C8_AMP12.2 R4_AMP12.2 30.025,21.675 v1@30.025,21.79
  other v1: 30,21.79
NetC1_CH2_2: C1_CH2.2 R8_PGA12.1 R43_CH2.2
NetC2_CH1_2: C2_CH1.2 CH1_I.1 R1_CH1.1 | length 4.3
  Top Layer w0.6: R1_CH1.1 CH1_I.1
NetC2_CH2_2: C2_CH2.2 CH2_I.1 R1_CH2.1
NetC3_CH1_2: C3_CH1.2 CH1_Q.1 R2_CH1.1 | length 4.3
  Top Layer w0.6: R2_CH1.1 CH1_Q.1
NetC3_CH2_2: C3_CH2.2 CH2_Q.1 R2_CH2.1
NetC8_AMP11_1: C8_AMP11.1 R3_AMP11.2 R4_AMP11.1 U1_AMP11.2 | length 5.7
  Top Layer w0.6: R3_AMP11.2 23.75,81.052 24.11,80.691 25.59,80.691 U1_AMP11.2 v1(26.675,80.682)
  Bottom Layer w0.6: v1(26.675,80.682) 27.44,80.682 C8_AMP11.1@27.605,80.847 ; R4_AMP11.1 C8_AMP11.1@27.605,80.847 ; C8_AMP11.1 C8_AMP11.1@27.605,80.847
NetC8_AMP12_1: C8_AMP12.1 R3_AMP12.2 R4_AMP12.1 U1_AMP12.2 | length 5.7
  Top Layer w0.6: R3_AMP12.2 23.75,23.43 24.11,23.07 25.59,23.07 U1_AMP12.2 v1(26.675,23.06)
  Bottom Layer w0.6: v1(26.675,23.06) 27.44,23.06 C8_AMP12.1@27.605,23.225 ; R4_AMP12.1 C8_AMP12.1@27.605,23.225 ; C8_AMP12.1 C8_AMP12.1@27.605,23.225
NetC17_1: C17.1 CH1.1 R20.2
NetC17_2: C17.2 R21.2 U1_AMP11.3
NetC18_1: C18.1 CH2.1 R30.2
NetC18_2: C18.2 R31.2 U1_AMP12.3
NetC19_2: C19.2 FB7.2 T1.1
NetC21_2: C21.2 C23.2 C25.2 FB8.2 R32.2 U4.1
NetC23_1: C23.1 R32.1 R33.2 U4.2
NetC26_2: C26.2 U4.6
NetC27_1: C27.1 FB9.1 T1.3
NetC28_1: C28.1 C34.2 FB9.2 U5.5 U5.8
NetC29_1: C29.1 C35.2 C36.2 FB10.2 R35.2 U5.1
NetC31_CH1_1: C31_CH1.1 C32_CH1.1 U3_PGA11.16
NetC31_CH1_2: C31_CH1.2 R44_CH1.2 U2_MIXER11.8
NetC31_CH2_1: C31_CH2.1 C32_CH2.1 U3_PGA12.16
NetC31_CH2_2: C31_CH2.2 R44_CH2.2 U2_MIXER12.8
NetC32_CH1_2: C32_CH1.2 R45_CH1.2 U2_MIXER21.8
NetC32_CH2_2: C32_CH2.2 R45_CH2.2 U2_MIXER22.8
NetC33_2: C33.2 U5.6
NetC36_1: C36.1 R34.2 R35.1 U5.2
NetQ1_AMP11_3: Q1_AMP11.3 U1_AMP11.8 | length 3.3
  Top Layer w0.6: Q1_AMP11.3 31.2,81.975 31.223,81.952 U1_AMP11.8
NetQ1_AMP12_3: Q1_AMP12.3 U1_AMP12.8 | length 3.3
  Top Layer w0.6: Q1_AMP12.3 31.2,24.353 31.223,24.33 U1_AMP12.8
NetQ2_PGA11_3: Q2_PGA11.3 R10_PGA11.1 U3_PGA11.17 | length 11.4
  Top Layer w0.3: U3_PGA11.17 53.877,74.393 55.677,74.393 56.412,75.128 56.412,79.472 55.556,80.328 55.474,80.328 54.854,80.948 54.854,80.998 54.332,81.52 54.332,82.348 Q2_PGA11.3
NetQ2_PGA12_3: Q2_PGA12.3 R10_PGA12.1 U3_PGA12.17 | length 11.4
  Top Layer w0.3: U3_PGA12.17 53.877,19.393 55.677,19.393 56.412,20.128 56.412,24.472 55.556,25.328 55.474,25.328 54.854,25.948 54.854,25.998 54.332,26.52 54.332,27.348 Q2_PGA12.3
NetQ3_PGA11_3: Q3_PGA11.3 R12_PGA11.1 U3_PGA11.20 | length 17
  Top Layer w0.3: Q3_PGA11.3 43.932,82.348 43.932,81.52 44.454,80.998 R12_PGA11.1 44.454,80.948 46.431,78.971 54.879,78.971 55.055,78.795 55.055,76.523 54.875,76.343 53.877,76.343 U3_PGA11.20
NetQ3_PGA12_3: Q3_PGA12.3 R12_PGA12.1 U3_PGA12.20 | length 17
  Top Layer w0.3: Q3_PGA12.3 43.932,27.348 43.932,26.52 44.454,25.998 R12_PGA12.1 44.454,25.948 46.431,23.971 54.879,23.971 55.055,23.795 55.055,21.523 54.875,21.343 53.877,21.343 U3_PGA12.20
NetQ4_PGA11_3: Q4_PGA11.3 R14_PGA11.1 U3_PGA11.19 | length 15.3
  Top Layer w0.3: Q4_PGA11.3 47.399,82.348 47.399,81.52 47.921,80.998 R14_PGA11.1 ; R14_PGA11.1@47.921,80.948 49.446,79.423 55.107,79.423 55.507,79.023 55.507,75.794 55.331,75.618 U3_PGA11.19
NetQ4_PGA12_3: Q4_PGA12.3 R14_PGA12.1 U3_PGA12.19 | length 15.3
  Top Layer w0.3: Q4_PGA12.3 47.399,27.348 47.399,26.52 47.921,25.998 R14_PGA12.1 ; R14_PGA12.1@47.921,25.948 49.446,24.423 55.107,24.423 55.507,24.023 55.507,20.794 55.331,20.618 U3_PGA12.19
NetQ5_PGA11_3: Q5_PGA11.3 R16_PGA11.1 U3_PGA11.18 | length 13.4
  Top Layer w0.3: Q5_PGA11.3 50.865,82.348 50.865,81.52 51.387,80.998 51.387,80.948 52.46,79.875 55.369,79.875 55.959,79.285 55.959,75.425 55.577,75.043 53.877,75.043 U3_PGA11.18
NetQ5_PGA12_3: Q5_PGA12.3 R16_PGA12.1 U3_PGA12.18 | length 13.4
  Top Layer w0.3: Q5_PGA12.3 50.865,27.348 50.865,26.52 51.387,25.998 51.387,25.948 52.46,24.875 55.369,24.875 55.959,24.285 55.959,20.425 55.577,20.043 53.877,20.043 U3_PGA12.18
NetR1_CH1_2: R1_CH1.2 R6_MIXER11.2 U2_MIXER11.5 | length 18.8
  Top Layer w0.6: U2_MIXER11.5 71.195,86.29 71.205,86.3 R6_MIXER11.2 71.205,89.505 71.6,89.9 81,89.9 82.63,88.27 R1_CH1.2
NetR1_CH2_2: R1_CH2.2 R6_MIXER12.2 U2_MIXER12.5 | length 13.3
  Top Layer w0.6: U2_MIXER12.5 71.195,17.27 71.205,17.28 R6_MIXER12.2 71.205,20.485 71.6,20.88 81,20.88
NetR2_CH1_2: R2_CH1.2 R6_MIXER21.2 U2_MIXER21.5 | length 13.3
  Top Layer w0.6: U2_MIXER21.5 71.195,72.29 71.205,72.3 R6_MIXER21.2 71.205,75.505 71.6,75.9 81,75.9
NetR2_CH2_2: R2_CH2.2 R6_MIXER22.2 U2_MIXER22.5 | length 13.3
  Top Layer w0.6: U2_MIXER22.5 71.195,31.27 71.205,31.28 R6_MIXER22.2 71.205,34.485 71.6,34.88 81,34.88
NetR8_PGA11_2: R8_PGA11.2 R9_PGA11.1 U3_PGA11.5 | length 3.9
  Top Layer w0.3: R8_PGA11.2 43.877,73.668 U3_PGA11.5
NetR8_PGA12_2: R8_PGA12.2 R9_PGA12.1 U3_PGA12.5 | length 3.9
  Top Layer w0.3: R8_PGA12.2 43.877,18.668 U3_PGA12.5
NetR18_2: R18.2 R22.2 VSIN_Q.1 | length 7.3
  Top Layer w0.6: VSIN_Q.1 15.677,61.667 ; R18.2 15.678,61.667 15.677,61.667 ; R22.2 15.677,61.667
NetR25_2: R25.2 R27.2 VSIN_I.1 | length 7.1
  Top Layer w0.6: VSIN_I.1 15.583,38.333 ; R25.2 15.583,38.333 ; R27.2 15.612,38.333 15.583,38.333
NetR41_MIXER11_2: R41_MIXER11.2 U2_MIXER11.7 | length 3.5
  Top Layer w0.6: R41_MIXER11.2 67.975,84.52 68.745,83.75 U2_MIXER11.7
NetR41_MIXER12_2: R41_MIXER12.2 U2_MIXER12.7 | length 3.5
  Top Layer w0.6: R41_MIXER12.2 67.975,15.5 68.745,14.73 U2_MIXER12.7
NetR41_MIXER21_2: R41_MIXER21.2 U2_MIXER21.7 | length 3.5
  Top Layer w0.6: R41_MIXER21.2 67.975,70.52 68.745,69.75 U2_MIXER21.7
NetR41_MIXER22_2: R41_MIXER22.2 U2_MIXER22.7 | length 3.5
  Top Layer w0.6: R41_MIXER22.2 67.975,29.5 68.745,28.73 U2_MIXER22.7
NetR42_MIXER11_2: R42_MIXER11.2 U2_MIXER11.2 | length 3.3
  Top Layer w0.6: U2_MIXER11.2 78.155,83.75 78.925,84.52 R42_MIXER11.2
NetR42_MIXER12_2: R42_MIXER12.2 U2_MIXER12.2 | length 3.3
  Top Layer w0.6: U2_MIXER12.2 78.155,14.73 78.925,15.5 R42_MIXER12.2
NetR42_MIXER21_2: R42_MIXER21.2 U2_MIXER21.2 | length 3.3
  Top Layer w0.6: U2_MIXER21.2 78.155,69.75 78.925,70.52 R42_MIXER21.2
NetR42_MIXER22_2: R42_MIXER22.2 U2_MIXER22.2 | length 3.3
  Top Layer w0.6: U2_MIXER22.2 78.155,28.73 78.925,29.5 R42_MIXER22.2
VDD_13P0V: C20.2 C24.2 FB7.1 U4.5 U4.8
VINPGA-_PGA11: R9_PGA11.2 U3_PGA11.3 U3_PGA11.4 | length 3
  Top Layer w0.3: R9_PGA11.2 45.552,75.293 45.877,74.968 U3_PGA11.3 U3_PGA11.4
VINPGA-_PGA12: R9_PGA12.2 U3_PGA12.3 U3_PGA12.4 | length 3
  Top Layer w0.3: R9_PGA12.2 45.552,20.293 45.877,19.968 U3_PGA12.3 U3_PGA12.4
VSIN_I_CH1: R24.2 R25.1 R26.1 U2_MIXER11.1 | length 5.5
  Top Layer w0.6: R25.1 19.04,39.114 19.915,39.114 R26.1 ; U2_MIXER11.1 75.961,82.469 78.946,82.469 R24.2@79.025,82.39
VSIN_I_CH2: R26.2 R27.1 R28.2 U2_MIXER12.1 | length 5.9
  Top Layer w0.6: R27.1 19.065,37.556 19.918,37.556 R26.2 ; U2_MIXER12.1 75.961,13.449 78.946,13.449 R28.2@79.025,13.37 ; R28.2@78.665,13.46 R28.2
VSIN_Q_CH1: R18.1 R19.1 R23.2 U2_MIXER21.1 | length 5.9
  Top Layer w0.6: R18.1@18.092,63.46 19.148,62.404 20.023,62.404 R19.1@20.033,62.393 ; U2_MIXER21.1 75.961,68.469 78.946,68.469 R23.2@79.025,68.39 ; R23.2@78.665,68.48 R23.2@78.975,68.17
VSIN_Q_CH2: R19.2 R22.1 R29.2 U2_MIXER22.1 | length 5.9
  Top Layer w0.6: R22.1 19.173,60.846 20.026,60.846 R19.2@20.033,60.853 ; U2_MIXER22.1 75.961,27.449 78.946,27.449 R29.2@79.025,27.37 ; R29.2@78.665,27.46 R29.2
Z_MIXER11: R6_MIXER11.1 R7_MIXER11.2 U2_MIXER11.4 | length 5.6
  Top Layer w0.6: R6_MIXER11.1 73.512,88.14 ; R7_MIXER11.2 73.512,88.14 ; U2_MIXER11.4 73.93,86.29 73.512,86.708 73.512,88.14
Z_MIXER12: R6_MIXER12.1 R7_MIXER12.2 U2_MIXER12.4 | length 5.6
  Top Layer w0.6: R6_MIXER12.1 73.512,19.12 ; R7_MIXER12.2 73.512,19.12 ; U2_MIXER12.4 73.93,17.27 73.512,17.687 73.512,19.12
Z_MIXER21: R6_MIXER21.1 R7_MIXER21.2 U2_MIXER21.4 | length 5.6
  Top Layer w0.6: R6_MIXER21.1 73.512,74.14 ; R7_MIXER21.2 73.512,74.14 ; U2_MIXER21.4 73.93,72.29 73.512,72.708 73.512,74.14
Z_MIXER22: R6_MIXER22.1 R7_MIXER22.2 U2_MIXER22.4 | length 5.6
  Top Layer w0.6: R6_MIXER22.1 73.512,33.12 ; R7_MIXER22.2 73.512,33.12 ; U2_MIXER22.4 73.93,31.27 73.512,31.687 73.512,33.12
pads on no net: T1.MACH U1_AMP11.1 U1_AMP11.5 U1_AMP12.1 U1_AMP12.5 U3_PGA11.9 U3_PGA11.10 U3_PGA11.11 U3_PGA12.9 U3_PGA12.10 U3_PGA12.11 U4.3 U4.7 U5.3 U5.7

## Polygon pours and split planes (outlines as drawn)
AVEE_AMP12 on Bottom Layer "NONET_L-01_P-001" (solid, pour order 6): 26.55,21.075 22.9,21.075 22.9,17.65 24.85,17.65 24.85,16.05 26.55,16.05
AVDD_AMP12 on Bottom Layer "NONET_L-01_P-001" (solid, pour order 5): 30.425,23.725 32.575,23.725 32.575,24.35 36.675,24.35 36.675,21.2 32.575,21.2 32.575,22.45 30.425,22.45
AVEE_AMP12 on Top Layer "NONET_L-01_P-001" (solid, pour order 4): 26.55,21.075 22.9,21.075 22.9,17.65 24.85,17.65 24.85,16.05 26.55,16.05
AVDD_AMP12 on Top Layer "NONET_L-01_P-001" (solid, pour order 3): 30.425,23.725 32.575,23.725 32.575,24.35 36.675,24.35 36.675,21.2 32.575,21.2 32.575,22.45 30.425,22.45
no net on PWR (split plane): 99.49,0.51 0.51,0.51 0.51,99.49 99.49,99.49
AGND on AGND (split plane): 99.615,6.26 0.635,6.26 0.635,105.24 99.615,105.24

## Silkscreen, mask and mechanical layers (free items; w line width, h text height)
Mechanical 1:
  the board outline again, w0.254
NOTE:
  text "FRONT" at -2.056,31.952 h5 r90